# Altium PCB NixieClock.PcbDoc (part 2 of 2)
Units mm, origin at the board's own origin, x right, y up, seen from the top; angles counter-clockwise.
Board outline 200 x 75 mm, 2 copper layers (Top Layer, Bottom Layer); 186 components, 155 nets, 577 pads, 267 vias.
Unrouted connection lines stored in the file: 1.
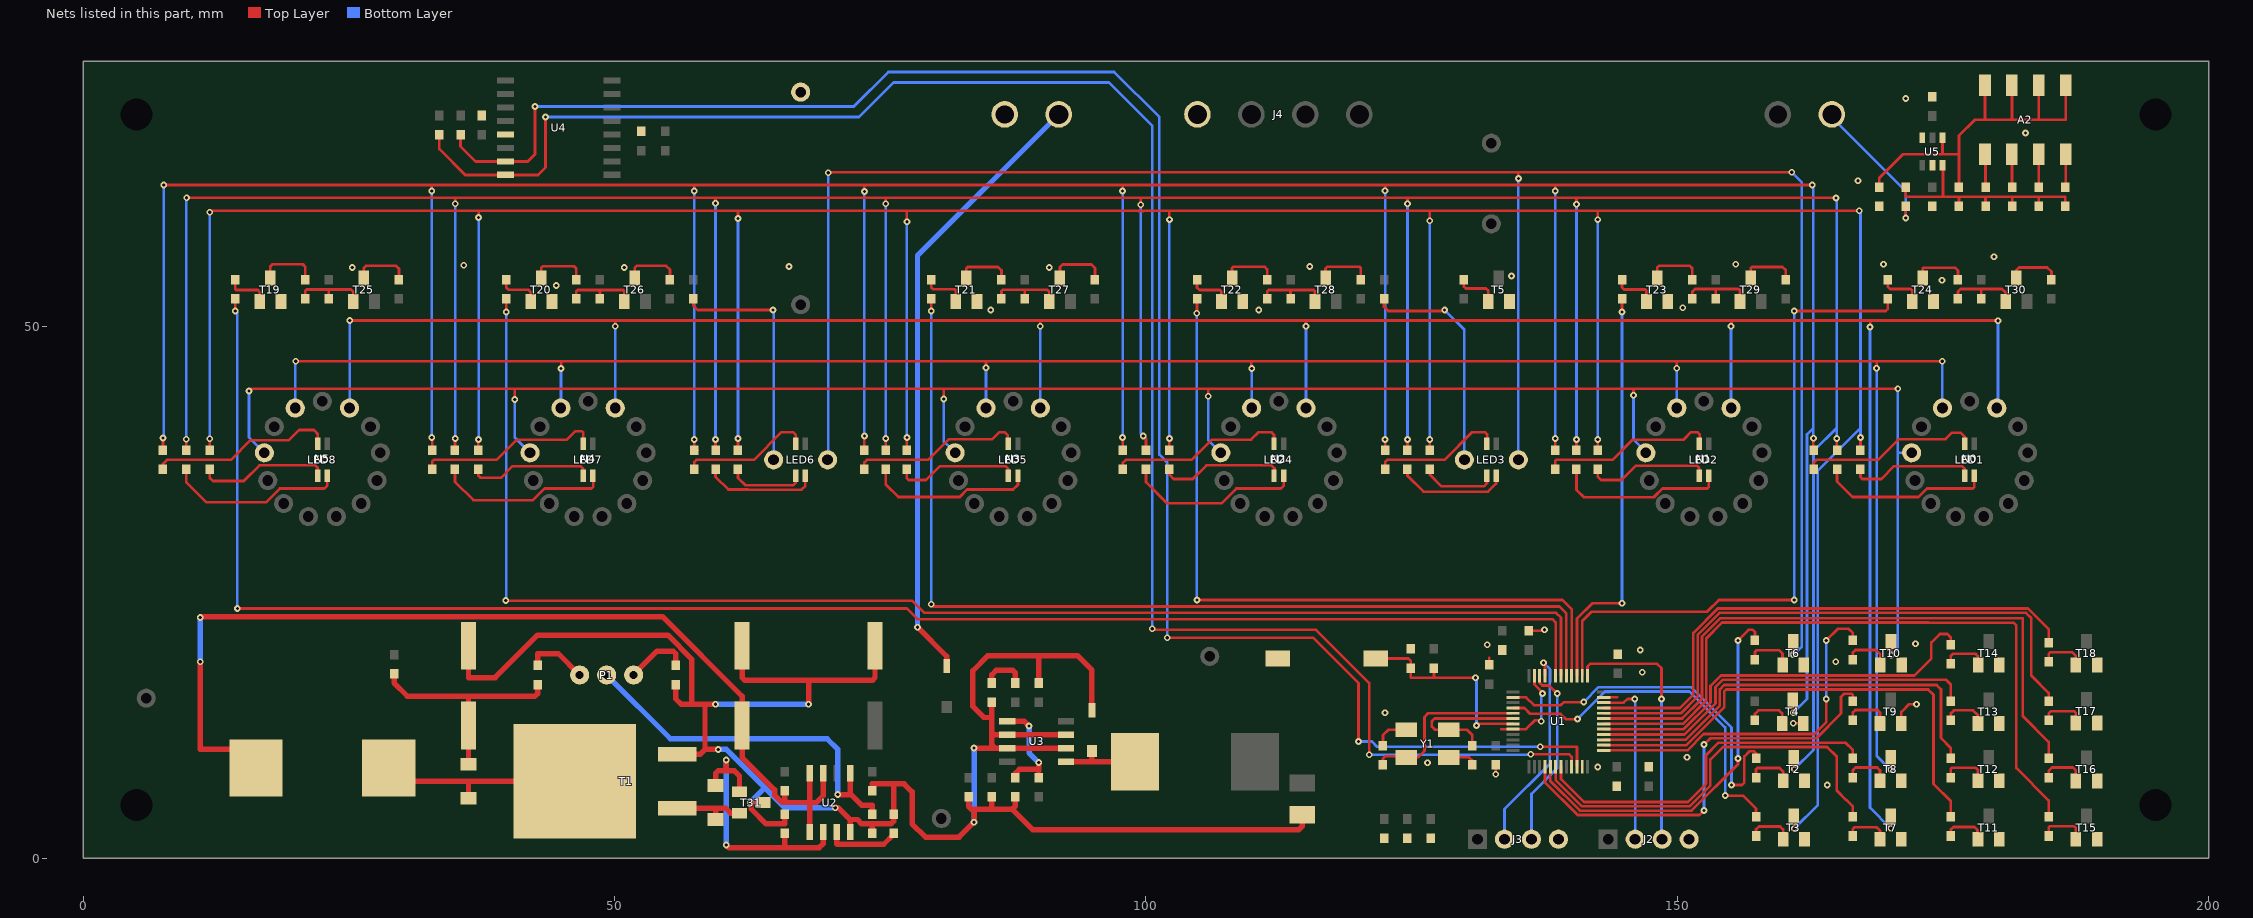
[diagram p2: the nets of this part, all layers, seen from the top]

## Via types
v1: diameter 0.635, hole 0.305, Top Layer to Bottom Layer, tented both sides, 267 vias

## Nets (pads, with @x,y where several pads share a name; then routed paths per layer and width w, separated by ;. In a path a pad name is that pad's centre, name@x,y a point inside that pad or via, vN(x,y) a via of type N, cw(c..) or ccw(c..) an arc to the next point about the centre after c; other vN are vias at no path point) (continued)
D9: N0.11 N1.11 N2.11 N3.11 N4.11 N5.11 T10.3 | length 215.6
  Top Layer w0.254: v1(15.6,43.975) 15.804,44.179 105.9,44.179 ; v1(40.6,43.175) 40.6,44.154 ; v1(80.975,43.225) 80.975,44.125 ; v1(105.85,43.475) 105.85,44.129 105.9,44.179 ; v1(145.875,43.575) 145.875,44.154 145.9,44.179 ; T10.3@170.1,20.4 170.125,20.375 v1(170.125,19.125) ; v1(170.75,44.179) 145.9,44.179 ; 105.9,44.179 145.9,44.179
  Bottom Layer w0.254: v1(15.6,43.975) 15.6,39.603 N5.11@17.04,38.163 ; v1(40.6,43.175) 40.6,39.603 N4.11@42.04,38.163 ; v1(80.975,43.225) 80.975,39.225 N3.11@82.037,38.163 ; N3.11@82.037,38.235 N3.11@82.04,38.235 ; v1(105.85,43.475) 105.85,39.353 N2.11@107.04,38.163 ; v1(145.875,43.575) 145.875,39.4 147.04,38.235 N1.11@147.04,38.163 ; v1(170.125,19.125) 170.75,19.75 170.75,38.15 ; v1(170.75,44.179) 170.75,38.15 ; N0.11@172.04,38.163 170.763,38.163 170.75,38.15
FB: C15.2 P1.2 U2.5 | length 35.4
  Top Layer w0.508: v1(71,6) 72.06,6 72.155,6.095 ; U2.5@72.155,8.01 72.155,6.095 ; C15.2@74.25,4.15 74.25,5 73.25,5 72.155,6.095
  Bottom Layer w0.508: P1.2@49.25,17.25 55.25,11.25 70,11.25 71,10.25 v1(71,6)
FB2: R3.1 R4.1 U3.5 | length 9.7
  Top Layer w0.508: U3.5@86.94,12.905 86.95,12.915 88.535,12.915 v1(89,12.45) ; R4.1@87.7,7.6 87.7,8 88.075,8.375 89.75,8.375 89.9,8.225 v1(89.9,9.025)
  Bottom Layer w0.508: v1(89,12.45) 89,9.925 v1(89.9,9.025)
GATE: D3.2 T1.1 T31.2 | length 7.1
  Top Layer w0.508: T1.1@55.9,4.71 59.5,4.71 ; D3.2@59.5,3.65 59.5,4.71 ; T31.2@61.75,4.25 60.92,4.25 60.46,4.71 59.5,4.71
GND: BAT.2 C1.1 C2.1 C3.1 C4.1 C5.1 C6.1 C8.1 C9.1 C10.2 C11.2 C12.2 C13.2 C14.2 C15.1 C16.1 C17.1 C18.1 C19.1 C20.1 C21.1 C22.1 C23.1 C29.2 C30.1 D4.1 J1.2 J2.4 J3.4 J4.4 R2.1 R4.2 R5.1 R6.1 R9.2 R10.1 R11.1 R46.1 RESET.2 T1.2 T2.2 T3.2 T4.2 T5.2 T6.2 T7.2 T8.2 T9.2 T10.2 T11.2 T12.2 T13.2 T14.2 T15.2 T16.2 T17.2 T18.2 T19.2 T20.2 T21.2 T22.2 T23.2 T24.2 T31.3 U1.8 U1.23 U1.35 U1.47 U2.4 U3.2 U3.3 U3.6 U3.7 U4.13 U5.2 U5.6 Y1.3 | length 234.3
  Top Layer w0.254: C18.1@122.3,10.6 122.3,11.6 122.8,12.1 Y1.3@124.5,12.1 ; Y1.3@128.4,9.4 Y1.3@128.5,9.5 130.4,9.5 130.7,9.2 C17.1@130.7,8.8 ; C10.2@132.3,18.3 132.3,18.871 ; v1(132.9,7.9) C11.2@132.9,8.8 ; 133.45,12.15 135.775,12.15 136.625,13 137.1,13 v1(137.2,12.9) ; C13.2@136,21.4 137.4,21.4 v1(137.5,21.5) ; U1.47@136.55,17.174 136.55,16.35 137.2,15.7 137.2,15.6 v1(137.3,15.5) ; U1.35@143.074,15.15 144.35,15.15 ; v1(160.9,12.7) T4.2@161.858,12.7 ; T9.2@171.072,12.7 171.072,13.772 171.8,14.5 v1(172.5,14.5)
  Top Layer w0.508: C2.1@36.25,20 36.25,17 38.75,17 42.75,21 55,21 57.25,18.75 57.25,14.5 ; R2.1@55.75,16.35 55.75,15 56.25,14.5 57.25,14.5 ; T1.2@55.9,9.79 58.04,9.79 58.5,10.25 ; v1(59.5,14.5) 58.5,14.5 ; v1(59.75,10.25) 58.5,10.25 ; C19.1@62,20 62,17 62.25,16.75 68.25,16.75 ; T31.3@63.95,5.25 v1(62.75,5.25) 62.856,5.144 62.856,4.644 64.25,3.25 66,3.25 R6.1@66,4.15 ; v1(68.25,14.5) 68.25,16.75 ; v1(70.75,4.75) 71.06,4.75 72.155,3.655 ; U2.4@72.155,2.49 72.155,3.655 ; C15.1@74.25,2.35 74.25,3.25 ; C3.1@74.25,6.35 74.25,7 77.25,7 78,6.25 78,3.25 79.25,2 82.425,2 v1(83.825,3.4) 83.825,4.35 ; C4.1@74.5,20 74.5,17 74.25,16.75 68.25,16.75 ; 76.25,7 C1.1@76.25,4.15 76.25,3.5 76,3.25 74.25,3.25 ; C6.1@83.3,5.8 83.3,4.875 83.55,4.625 87.4,4.625 ; v1(83.825,10.375) 83.835,10.365 U3.7@86.94,10.365 U3.2@92.46,10.365 ; 85.45,13.25 84.75,13.25 83.7,14.3 83.7,17.65 85.125,19.075 93.55,19.075 94.9,17.725 D4.1@94.9,13.94 ; 85.5,4.675 C5.1@85.5,5.8 ; R5.1@85.5,14.7 85.5,11.85 ; 85.775,10.375 85.5,10.65 85.5,11.85 ; R4.2@87.7,5.8 87.7,4.925 87.4,4.625 ; C8.1@89.9,16.5 89.9,18.825 ; U3.3@92.46,11.635 U3.6@86.94,11.635 85.715,11.635 85.5,11.85 ; C9.1@114.7,4.1 114.7,3 114.4,2.7 89.325,2.7 87.4,4.625 ; 57.25,14.5 58.5,14.5 ; 58.5,10.25 58.5,14.5 ; 72.155,3.655 72.845,3.655 73.25,3.25 74.25,3.25
  Bottom Layer w0.254: v1(137.2,12.9) v1@137.2,15.4 ; v1@160.8,12.7 v1(160.9,12.7)
  Bottom Layer w0.508: v1(59.5,14.5) v1(68.25,14.5) ; v1(59.75,10.25) 60.524,10.25 64.024,6.75 ; v1(62.75,5.25) 64.024,6.524 64.024,6.75 ; v1(70.75,4.75) 66.024,4.75 64.024,6.75 ; v1(83.825,3.4) v1(83.825,10.375)
  other v1: 164.1,6.9 142.5,8.6 126.5,9 150.9,9.5 122.5,13.7 146.7,17.5 164.9,18.5 146.5,19.6 132.1,20.1 172.4,20.2 85.4,51.6 110.6,51.6 150.5,51.8 44.5,53.9 174.9,54.4 134.4,54.8 25.3,55.6 50.9,55.6 90.9,55.6 66.4,55.7 115.4,55.7 35.8,55.8 155.5,55.9 169.4,55.9 179.8,56.6 167,63.75 182.75,68.25 171.5,71.5
GPIO1: J3.2 U1.45 | length 19.9
  Top Layer w0.254: v1(137.4,18.4) 137.55,18.25 U1.45@137.55,17.174
  Bottom Layer w0.254: J3.2@133.73,1.8 133.73,4.63 138,8.9 138,17.8 v1(137.4,18.4)
GPIO2: J3.3 U1.46 | length 17.4
  Top Layer w0.254: U1.46@137.05,17.174 137.05,16.514 137.294,16.27 137.93,16.27 v1(138.7,15.5)
  Bottom Layer w0.254: J3.3@136.27,1.8 136.27,6.07 138.7,8.5 v1(138.7,15.5)
GREEN: R41.1 U1.4 | length 33.5
  Top Layer w0.254: U1.4@134.526,14.15 135.601,14.15 136.158,13.593 139.007,13.593 139.5,13.1 v1(140.6,13.1) ; v1(154.5,5.9) 156.181,5.9 157.4,4.681 R41.1@157.4,3.9
  Bottom Layer w0.254: v1(140.6,13.1) 143.194,15.694 151.132,15.694 154.5,12.325 v1(154.5,5.9)
I2C-SCL: R14.1 U1.21 U4.16 | length 174.2
  Top Layer w0.254: R14.1@33.5,68.1 33.5,66.75 35.945,64.305 U4.16@39.75,64.305 42.805,64.305 43.5,65 v1(43.5,69.75) ; v1@100.597,21.5 116,21.5 121,16.5 v1(121,9.75) ; v1(136.2,9.8) 139.8,9.8 140.05,9.55 U1.21@140.05,8.626
  Bottom Layer w0.254: v1(43.5,69.75) 73,69.75 76.25,73 96.5,73 100.597,68.903 v1(100.597,21.597) ; v1(121,9.75) 136.15,9.75 v1(136.2,9.8)
I2C-SDA: R15.1 U1.22 U4.15 | length 172.5
  Top Layer w0.254: R15.1@35.5,68.1 35.5,67 36.925,65.575 U4.15@39.75,65.575 41.825,65.575 42.5,66.25 v1(42.5,70.75) ; v1(102,20.75) 115.75,20.75 120,16.5 v1(120,11) ; v1(137.1,10.5) 140.5,10.5 140.55,10.45 U1.22@140.55,8.626
  Bottom Layer w0.254: v1(42.5,70.75) 72.5,70.75 75.75,74 97,74 101.25,69.75 101.25,38 102,37.25 v1(102,20.75) ; v1(120,11) 121.25,11 121.75,10.5 v1(137.1,10.5)
LB: R18.1 R21.1 R24.1 R27.1 R30.1 R33.1 R36.1 R39.1 T4.3 | length 382.8
  Top Layer w0.254: R39.1@7.5,38.4 v1(7.5,39.55) ; v1(7.575,63.35) 32.8,63.35 ; v1(32.8,39.6) 32.825,39.575 R36.1@32.825,38.4 ; v1(32.8,62.8) 32.8,63.35 ; v1(57.5,39.4) 57.5,38.7 R33.1@57.8,38.4 ; v1(57.5,62.8) 57.5,63.3 ; R30.1@73.5,38.4 v1(73.5,39.75) ; v1(73.5,62.75) 73.5,63.35 ; R27.1@97.8,38.4 v1(97.8,39.6) ; v1(97.8,62.8) 97.8,63.35 ; R24.1@122.5,38.7 v1(122.5,39.4) ; v1(122.5,62.819) 122.5,63.35 ; R21.1@138.5,38.4 v1(138.5,39.5) ; v1(138.5,62.8) 138.5,63.35 ; T4.3@160.858,14.9 160.858,13.742 v1(160.9,13.7) ; R18.1@162.8,38.425 v1(162.8,39.525) ; v1@162.8,63.35 v1(162.7,63.35) 138.5,63.35 ; 32.8,63.35 73.5,63.35 ; 73.5,63.35 97.8,63.35 ; 97.8,63.35 122.5,63.35 ; 122.5,63.35 138.5,63.35
  Bottom Layer w0.254: v1(7.5,39.55) 7.575,39.625 v1(7.575,63.35) ; v1(32.8,39.6) v1(32.8,62.8) ; v1(57.5,39.4) v1@57.5,62.5 ; v1(73.5,39.75) v1(73.5,62.75) ; v1(97.8,39.6) v1(97.8,62.8) ; v1(122.5,39.4) 122.5,62.5 ; v1(138.5,39.5) v1(138.5,62.8) ; v1(160.9,13.7) 162.2,15 162.2,39.9 162.8,40.5 ; v1(162.8,39.525) 162.8,40.5 ; v1@162.8,63.35 162.8,40.5
LB1: LED1.3 R18.2 | length 16.8
  Top Layer w0.254: R18.2@162.825,36.6 162.825,37.225 163.1,37.5 168.9,37.5 170.845,39.445 175.245,39.445 175.85,40.05 176.65,40.05 177.05,39.65 LED1.3@177.05,39
LB2: LED2.3 R21.2 | length 16.5
  Top Layer w0.254: R21.2@138.5,36.6 138.5,37.4 138.6,37.5 143.9,37.5 145.8,39.4 150.6,39.4 151.3,40.1 151.9,40.1 152.1,39.9 152.1,39.05 LED2.3@152.05,39
LB3: LED3.3 R24.2 | length 12.2
  Top Layer w0.254: R24.2@122.5,36.9 122.5,37.3 122.7,37.5 128.1,37.5 130.7,40.1 131.9,40.1 132.1,39.9 132.1,39.05 LED3.3@132.05,39
LB4: LED4.3 R27.2 | length 17
  Top Layer w0.254: R27.2@97.8,36.6 97.8,37.2 98.1,37.5 104.3,37.5 106.2,39.4 109.9,39.4 110.594,40.094 111.806,40.094 112.05,39.85 LED4.3@112.05,39
LB5: LED5.3 R30.2 | length 16.3
  Top Layer w0.254: R30.2@73.5,36.6 73.5,37.25 73.75,37.5 79.5,37.5 81.445,39.445 85.545,39.445 86.2,40.1 86.7,40.1 87,39.8 87,39.05 LED5.3@87.05,39
LB6: LED6.3 R33.2 | length 12.4
  Top Layer w0.254: R33.2@57.5,36.6 57.5,37.3 57.7,37.5 63.1,37.5 65.7,40.1 66.8,40.1 67.05,39.85 LED6.3@67.05,39
LB7: LED7.3 R36.2 | length 17.3
  Top Layer w0.254: R36.2@32.825,36.6 32.825,37.325 33,37.5 38.9,37.5 40.8,39.4 45.5,39.4 46.3,40.2 46.9,40.2 47.05,40.05 LED7.3@47.05,39
LB8: LED8.3 R39.2 | length 17.5
  Top Layer w0.254: R39.2@7.5,36.6 7.5,37.125 7.875,37.5 13.9,37.5 15.742,39.342 19.342,39.342 20.3,40.3 21.7,40.3 22.05,39.95 LED8.3@22.05,39
LG: R17.1 R20.1 R23.1 R26.1 R29.1 R32.1 R35.1 R38.1 T3.3 | length 377
  Top Layer w0.254: R38.1@11.9,38.4 v1(11.9,39.475) ; v1(11.9,60.8) 12.025,60.925 37.2,60.925 ; R35.1@37.175,38.4 37.175,39.375 v1(37.2,39.4) ; v1(37.2,60.3) 37.2,60.925 ; R32.1@61.6,38.4 v1(61.6,39.5) ; v1(61.6,60.2) 61.6,60.925 ; R29.1@77.3,38.4 R29.1@77.5,38.4 v1(77.5,39.6) ; v1(77.5,59.9) 77.5,60.825 77.4,60.925 ; R26.1@102.2,38.4 v1(102.2,39.5) ; v1(102.2,60.1) 102.2,60.925 ; R23.1@126.7,38.4 v1(126.7,39.4) ; v1(126.7,60) 126.7,60.9 ; R20.1@142.5,38.575 v1(142.5,39.4) ; v1(142.5,60.1) 142.5,60.925 ; T3.3@160.958,4 160.958,2.842 v1(161,2.8) ; R17.1@167.225,38.4 v1(167.225,39.6) ; v1@167.225,60.925 v1(167.125,60.925) 142.5,60.925 ; 37.2,60.925 61.6,60.925 ; 61.6,60.925 77.4,60.925 ; 77.4,60.925 99.231,60.925 99.253,60.903 99.747,60.903 99.769,60.925 102.2,60.925 ; 102.2,60.925 142.5,60.925
  Bottom Layer w0.254: v1(11.9,39.475) v1(11.9,60.8) ; v1(37.2,39.4) v1(37.2,60.3) ; v1(61.6,39.5) v1(61.6,60.2) ; v1(77.5,39.6) v1(77.5,59.9) ; v1(102.2,39.5) v1(102.2,60.1) ; v1(126.7,39.4) v1(126.7,60) ; v1(142.5,39.4) v1(142.5,60.1) ; v1(161,2.8) 163.219,5.019 163.219,36.494 167.225,40.5 ; v1(167.225,39.6) 167.225,40.5 ; v1@167.225,60.925 167.225,40.5
LG1: LED1.4 R17.2 | length 11.9
  Top Layer w0.254: R17.2@167.225,36.6 167.225,35.875 167.4,35.7 169.2,35.7 170.4,36.9 176.8,36.9 177.05,36.65 LED1.4@177.05,36
LG2: LED2.4 R20.2 | length 11.8
  Top Layer w0.254: R20.2@142.5,36.6 142.5,35.925 142.825,35.6 144.75,35.6 146.1,36.95 151.85,36.95 152.05,36.75 LED2.4@152.05,36
LG3: LED3.4 R23.2 | length 7.2
  Top Layer w0.254: R23.2@126.7,36.6 126.7,36.1 127.8,35 131.8,35 132.1,35.3 132.05,35.35 LED3.4@132.05,36
LG4: LED4.4 R26.2 | length 11.9
  Top Layer w0.254: R26.2@102.2,36.6 102.2,36.1 102.6,35.7 104.4,35.7 105.684,36.984 111.816,36.984 112.1,36.7 112.1,36.05 LED4.4@112.05,36
LG5: LED5.4 R29.2 | length 11.8
  Top Layer w0.254: R29.2@77.3,36.6 77.5,36.4 77.5,35.75 77.65,35.6 79.3,35.6 80.6,36.9 86.8,36.9 87.05,36.65 LED5.4@87.05,36
LG6: LED6.4 R32.2 | length 7.3
  Top Layer w0.254: R32.2@61.6,36.6 61.6,35.8 62.294,35.106 62.694,35.106 62.7,35.1 66.8,35.1 67.05,35.35 LED6.4@67.05,36
LG7: LED7.4 R35.2 | length 11.8
  Top Layer w0.254: R35.2@37.175,36.6 37.175,36.025 37.4,35.8 39.3,35.8 40.4,36.9 46.8,36.9 47.05,36.65 LED7.4@47.05,36
LG8: LED8.4 R38.2 | length 12.5
  Top Layer w0.254: R38.2@11.9,36.6 11.9,35.8 12.2,35.5 15.1,35.5 16.584,36.984 17.529,36.984 17.545,37 21.8,37 22.05,36.75 LED8.4@22.05,36
LR: R16.1 R19.1 R22.1 R25.1 R28.1 R31.1 R34.1 R37.1 T2.3 | length 380.4
  Top Layer w0.254: R37.1@9.7,38.4 v1(9.7,39.425) ; v1(9.725,62.15) 35,62.15 ; R34.1@34.975,38.4 34.975,39.475 v1(35,39.5) ; v1(35,61.6) 35,62.15 ; R31.1@59.3,38.4 R31.1@59.3,38.7 ; R31.1@59.5,38.4 v1(59.5,39.4) ; v1(59.5,61.65) 59.5,62.15 ; R28.1@75.5,38.4 75.5,38.8 v1(75.5,39.5) ; v1(75.5,61.6) 75.5,62.15 ; v1(99.5,61.5) 99.5,62.15 ; R25.1@100,38.4 100,39.5 ; R22.1@124.6,38.4 124.6,38.8 v1(124.6,39.4) ; v1(124.6,61.6) 124.6,62.15 ; R19.1@140.5,38.4 v1(140.5,39.4) ; v1(140.5,61.55) 140.5,62.15 ; T2.3@160.958,9.5 161,9.458 v1(161,8.4) ; v1(165,39.5) 165,38.475 165.05,38.425 R16.1@165.025,38.4 ; v1@165.025,62.15 140.5,62.15 ; 35,62.15 59.5,62.15 ; 59.5,62.15 75.5,62.15 ; 75.5,62.15 99.5,62.15 ; 99.5,62.15 124.6,62.15 ; 124.6,62.15 140.5,62.15
  Bottom Layer w0.254: v1(9.7,39.425) 9.7,62.125 v1(9.725,62.15) ; v1(35,39.5) v1(35,61.6) ; v1(59.5,39.4) v1(59.5,61.65) ; v1(75.5,39.5) v1(75.5,61.6) ; v1(99.5,61.5) 99.5,40 v1(99.75,39.75) ; v1(124.6,39.4) v1(124.6,61.6) ; v1(140.5,39.4) v1(140.5,61.55) ; v1(161,8.4) 162.813,10.213 162.813,38.313 165,40.5 ; v1@164.9,62.05 164.95,62.1 v1(164.925,62.125) ; v1(165,39.5) 165,40.5 ; v1@165,62.05 165,40.5
LR1: LED1.1 R16.2 | length 16.1
  Top Layer w0.254: R16.2@165.025,36.6 165.025,35.475 166.5,34 172.7,34 173.5,34.8 177.8,34.8 177.95,34.95 LED1.1@177.95,36
LR2: LED2.1 R19.2 | length 16.1
  Top Layer w0.254: R19.2@140.5,36.6 140.5,34.675 141.2,33.975 147.776,33.975 148.601,34.8 152.825,34.8 152.95,34.925 LED2.1@152.95,36
LR3: LED3.1 R22.2 | length 10.2
  Top Layer w0.254: R22.2@124.6,36.2 124.6,36 126.1,34.5 132.2,34.5 132.95,35.25 LED3.1@132.95,36
LR4: LED4.1 R25.2 | length 16.6
  Top Layer w0.254: R25.2@100,36.6 100,35.4 102,33.4 107.1,33.4 108.5,34.8 112.7,34.8 112.95,35.05 LED4.1@112.95,36
LR5: LED5.1 R28.2 | length 15.7
  Top Layer w0.254: R28.2@75.5,36.6 75.5,36.2 75.5,35.2 76.7,34 82.476,34 83.176,34.7 87.5,34.7 87.95,35.15 LED5.1@87.95,36
LR6: LED6.1 R31.2 | length 10.7
  Top Layer w0.254: R31.2@59.5,36.6 59.5,35.9 60.7,34.7 62.525,34.7 62.532,34.694 67.594,34.694 67.95,35.05 LED6.1@67.95,36
LR7: LED7.1 R34.2 | length 16.5
  Top Layer w0.254: R34.2@34.975,36.6 34.975,35.425 36.7,33.7 42.3,33.7 43.4,34.8 47.8,34.8 48,35 48,35.95 LED7.1@47.95,36
LR8: LED8.1 R37.2 | length 16.8
  Top Layer w0.254: R37.2@9.7,36.6 9.7,35.375 11.575,33.5 17.2,33.5 18.5,34.8 22.7,34.8 22.95,35.05 LED8.1@22.95,36
NC: D2.1 L1.2 T1.3 | length 21.6
  Top Layer w0.508: L1.2@27.5,10.25 28,10.25 31,7.25 36.25,7.25 ; D2.1@36.25,5.65 36.25,7.25 ; T1.3@46.25,7.25 36.25,7.25
NC2: D4.2 L2.1 U3.1 | length 7.5
  Top Layer w0.508: U3.1@92.46,9.095 98.945,9.095 L2.1@98.95,9.1 ; 94.9,9.12 D4.2@94.9,10.1
NCRL_0: R61.1 U1.38 | length 63
  Top Layer w0.254: U1.38@141.05,17.174 141.05,22.35 141.9,23.2 152.8,23.2 153.9,24.3 v1(161,24.3) ; v1(161,51.5) 169.6,51.5 169.8,51.7 R61.1@169.8,52.65
  Bottom Layer w0.254: v1(161,24.3) v1(161,51.5)
NCRL_1: R62.2 U1.39 | length 38.9
  Top Layer w0.254: U1.39@140.55,17.174 140.55,22.55 142,24 v1(144.8,24) ; v1(144.8,51.4) R62.2@144.8,52.65
  Bottom Layer w0.254: v1(144.8,24) v1(144.8,51.4)
NCRL_2: R63.2 U1.40 | length 70.6
  Top Layer w0.254: v1(104.775,51.3) 104.8,51.325 R63.2@104.8,52.65 ; v1(104.8,24.3) 139.2,24.3 140.05,23.45 U1.40@140.05,17.174
  Bottom Layer w0.254: v1(104.775,51.3) 104.775,24.125 104.8,24.15 v1(104.8,24.3)
NCRL_3: R64.1 U1.41 | length 94.7
  Top Layer w0.254: v1(79.8,23.9) 79.997,23.703 138.897,23.703 139.55,23.05 U1.41@139.55,17.174 ; v1(79.8,51.5) R64.1@79.8,52.65
  Bottom Layer w0.254: v1(79.8,23.9) v1(79.8,51.5)
NCRL_4: R65.2 U1.42 | length 133.8
  Top Layer w0.254: v1(39.75,24.25) 78,24.25 79.15,23.1 138.6,23.1 139.05,22.65 U1.42@139.05,17.174 ; v1(39.8,51.4) R65.2@39.8,52.65
  Bottom Layer w0.254: v1(39.8,51.4) 39.8,24.253 v1@39.803,24.25
NCRL_5: R66.2 U1.43 | length 158.8
  Top Layer w0.254: v1(14.3,51.5) R66.2@14.3,52.65 ; v1(14.5,23.5) 77.5,23.5 78.5,22.5 138.25,22.5 138.55,22.2 U1.43@138.55,17.174
  Bottom Layer w0.254: v1(14.3,51.5) 14.5,51.3 v1(14.5,23.5)
NCRL_P: R48.1 U1.17 | length 36.5
  Top Layer w0.254: U1.17@138.05,8.626 138.05,7.25 140.819,4.481 151.33,4.481 155.7,8.851 v1(155.7,9.4) ; v1(155.7,20.5) 156.7,21.5 157.1,21.5 157.3,21.3 R48.1@157.3,20.5
  Bottom Layer w0.254: v1(155.7,9.4) v1(155.7,20.5)
NE: NE1.2 NE2.2 T6.3 | length 192.4
  Top Layer w0.254: v1(70.1,64.5) 70.15,64.55 v1@160.875,64.55 ; v1(135.04,63.96) 135.04,64.535 ; v1(160.883,19.175) 160.883,20.283 160.95,20.35 T6.3@160.9,20.4
  Bottom Layer w0.254: NE2.2@70.04,37.5 70.1,37.56 v1(70.1,64.5) ; NE1.2@135.04,37.5 v1(135.04,63.96) ; v1(160.775,64.55) 161.7,63.625 161.7,19.884 160.883,19.067 v1(160.883,19.175)
NE1: NE1.1 R86.1 | length 21.5
  Top Layer w0.254: R86.1@122.4,52.65 122.4,51.9 122.8,51.5 128,51.5 v1(128.1,51.6)
  Bottom Layer w0.254: v1(128.1,51.6) 129.96,49.74 NE1.1@129.96,37.5
NE2: NE2.1 R85.1 | length 22.4
  Top Layer w0.254: R85.1@57.4,52.65 57.4,52 57.8,51.6 v1(64.9,51.6)
  Bottom Layer w0.254: v1(64.9,51.6) 64.96,51.54 NE2.1@64.96,37.5
NIXIE_0: R51.1 U1.16 | length 41.6
  Top Layer w0.254: U1.16@137.55,8.626 137.55,7.15 140.626,4.074 152.074,4.074 v1(152.5,4.5) ; v1(152.5,10.7) 153.094,11.294 163.068,11.294 165.4,13.625 165.4,15.2 165.413,15.2 165.7,15.487 166.4,15.487 166.514,15.373 R51.1@166.514,14.8
  Bottom Layer w0.254: v1(152.5,4.5) v1(152.5,10.7)
NIXIE_1: R60.1 U1.33 | length 51.2
  Top Layer w0.254: U1.33@143.074,14.15 150.25,14.15 151.5,15.4 151.5,21.2 153.8,23.5 183,23.5 184.942,21.558 R60.1@184.942,20.3
NIXIE_2: R59.1 U1.32 | length 56.2
  Top Layer w0.254: U1.32@143.074,13.65 150.325,13.65 151.906,15.232 151.906,21.032 153.968,23.094 182.8,23.094 183.3,22.594 183.3,17.2 184.942,15.558 R59.1@184.942,14.8
NIXIE_3: R58.1 U1.31 | length 61
  Top Layer w0.254: U1.31@143.074,13.15 150.45,13.15 152.313,15.013 152.313,20.863 154.049,22.6 182.5,22.6 182.5,13.4 184.942,10.958 R58.1@184.942,9.4
NIXIE_4: R57.1 U1.30 | length 65.6
  Top Layer w0.254: U1.30@143.074,12.65 150.525,12.65 152.719,14.844 152.719,20.695 154.218,22.194 173.6,22.194 173.615,22.178 181.622,22.178 181.9,21.9 181.9,8.5 184.942,5.458 R57.1@184.942,3.9
NIXIE_5: R56.1 U1.29 | length 39
  Top Layer w0.254: U1.29@143.074,12.15 150.599,12.15 153.126,14.676 153.126,16.226 154.1,17.2 172.3,17.2 173.9,18.8 173.9,20.3 174.7,21.1 175.4,21.1 175.728,20.772 R56.1@175.728,20.1
NIXIE_6: R55.1 U1.28 | length 37.4
  Top Layer w0.254: U1.28@143.074,11.65 150.674,11.65 153.587,14.563 153.587,16.113 154.268,16.794 175.3,16.794 175.728,16.365 R55.1@175.728,14.8
NIXIE_7: R54.1 U1.27 | length 41.8
  Top Layer w0.254: U1.27@143.074,11.15 150.75,11.15 154,14.4 154,15.9 154.4,16.3 174.4,16.3 174.8,15.9 174.8,11.314 175.728,10.386 R54.1@175.728,9.4
NIXIE_8: R53.1 U1.26 | length 46.4
  Top Layer w0.254: U1.26@143.074,10.65 150.85,10.65 154.406,14.206 154.406,15.7 154.6,15.894 173.6,15.894 174.1,15.394 174.1,7.014 175.728,5.386 R53.1@175.728,3.9
NIXIE_9: R52.1 U1.25 | length 33.6
  Top Layer w0.254: U1.25@143.074,10.15 143.087,10.163 150.937,10.163 152.475,11.7 162.9,11.7 164,12.8 v1(164,15) ; v1(164,20.5) 165.1,21.6 166.1,21.6 166.514,21.186 R52.1@166.514,20.5
  Bottom Layer w0.254: v1(164,15) v1(164,20.5)
NIXIE_PL: R50.1 U1.19 | length 34.5
  Top Layer w0.254: U1.19@139.05,8.626 139.05,7.45 141.206,5.294 150.994,5.294 152.7,7 152.7,9.7 153.887,10.887 165.8,10.887 166.514,10.173 R50.1@166.514,9.4
NIXIE_PR: R49.1 U1.18 | length 39.2
  Top Layer w0.254: U1.18@138.55,8.626 138.55,7.35 141.013,4.887 151.162,4.887 153.106,6.832 153.106,9.3 154.287,10.481 164.1,10.481 165,9.581 165,6.367 165.879,5.487 165.9,5.508 166.514,4.894 R49.1@166.514,3.9
OSCIN: C18.2 U1.5 Y1.1 | length 16.4
  Top Layer w0.254: C18.2@122.3,8.8 122.3,9.4 122.5,9.6 124.4,9.6 Y1.1@124.5,9.5 125.6,9.5 126.2,10.1 126.2,13.3 126.55,13.65 U1.5@134.426,13.65
OSCOUT: C17.2 U1.6 Y1.2 | length 13.4
  Top Layer w0.254: C17.2@130.7,10.6 130.7,11.6 130.2,12.1 Y1.2@128.5,12.1 127.2,12.1 126.9,12.4 126.9,12.9 127.15,13.15 U1.6@134.526,13.15
PL: N0.2 N1.2 N2.2 N3.2 N4.2 N5.2 T7.3 | length 254.8
  Top Layer w0.254: v1(25.075,50.6) 50.025,50.6 ; v1(50.056,50.056) 50.056,50.569 50.025,50.6 ; 90.054,50.596 v1(90.054,50.077) 90.054,49.946 v1@90.1,49.991 ; v1@115.05,50.125 115.002,50.077 v1(115.056,50.077) 115.056,50.569 115.025,50.6 ; v1(155.058,50.077) 154.973,50.077 155.1,50.205 155.1,50.6 ; v1(168.125,50) 168.15,50.025 168.15,50.6 ; v1(170.072,2.822) T7.3@170.072,4 ; v1@180.175,50.6 168.15,50.6 ; 50.025,50.6 115.025,50.6 ; 115.025,50.6 155.1,50.6 ; 155.1,50.6 168.15,50.6
  Bottom Layer w0.254: N5.2@25.056,42.37 25.075,42.389 v1(25.075,50.6) ; N4.2@50.056,42.37 v1(50.056,50.056) ; v1(90.054,50.077) 90.056,50.076 N3.2@90.056,42.37 ; N2.2@115.056,42.37 v1@115.056,50.077 ; N1.2@155.056,42.37 155.056,50.076 v1(155.058,50.077) ; v1(168.125,50) 168.125,4.769 v1(170.072,2.822) ; N0.2@180.056,42.37 180.175,42.489 v1(180.175,50.575)
PR: N0.13 N1.13 N2.13 N3.13 N4.13 N5.13 T8.3 | length 221.6
  Top Layer w0.254: v1(20,46.775) 84.95,46.775 ; v1(44.952,46.102) 44.975,46.079 44.975,46.7 ; v1(84.944,46.169) 84.95,46.175 84.95,46.775 ; v1(109.955,46.102) 109.898,46.102 109.898,46.698 109.975,46.775 ; v1(149.944,46.119) 149.944,46.706 149.875,46.775 ; v1(168.75,46.125) 168.75,46.775 ; v1(170.072,8.328) T8.3@170.072,9.5 ; v1(174.925,46.775) 168.75,46.775 ; 84.95,46.775 109.975,46.775 ; 109.975,46.775 149.875,46.775 ; 149.875,46.775 168.75,46.775
  Bottom Layer w0.254: N5.13@19.944,42.37 v1@19.944,46.775 ; N4.13@44.944,42.37 44.944,46.094 v1(44.952,46.102) ; N3.13@84.944,42.37 v1(84.944,46.169) ; N2.13@109.944,42.37 109.944,46.091 v1(109.955,46.102) ; N1.13@149.944,42.37 v1(149.944,46.119) ; v1(168.75,46.125) 168.75,9.65 v1(170.072,8.328) ; v1(174.925,46.775) 174.925,42.389 N0.13@174.944,42.37
R1: P1.3 R1.1 | length 5.9
  Top Layer w0.508: R1.1@42.75,18.15 42.75,19.25 44.71,19.25 P1.3@46.71,17.25
R2: P1.1 R2.2 | length 6.1
  Top Layer w0.508: P1.1@51.79,17.25 51.79,17.29 54,19.5 55.5,19.5 55.75,19.25 R2.2@55.75,18.15
R5: C7.1 R5.2 | length 4.2
  Top Layer w0.508: R5.2@85.5,16.5 85.5,17.275 85.925,17.7 87.45,17.7 87.7,17.45 C7.1@87.7,16.5
R8: C2.2 D2.2 R1.2 R8.1 | length 22.2
  Top Layer w0.508: R8.1@29.25,17.35 29.25,16.5 30.5,15.25 36.25,15.25 ; D2.2@36.25,8.85 C2.2@36.25,12.5 36.25,15.25 ; R1.2@42.75,16.35 42.75,15.5 42.5,15.25 36.25,15.25
R67: R67.2 T30.3 | length 5.1
  Top Layer w0.254: T30.3@181.9,54.6 181.9,55.35 182.15,55.6 184.8,55.6 185.2,55.2 R67.2@185.2,54.45
R68: R68.1 R69.2 T30.1 | length 7.1
  Top Layer w0.254: R69.2@176.4,52.65 176.4,53.325 176.65,53.575 180.55,53.575 180.9,53.225 T30.1@180.9,52.4 ; R68.1@178.6,52.65 178.6,53.55
R69: R69.1 T24.3 | length 5.2
  Top Layer w0.254: T24.3@173.1,54.6 173.1,55.5 173.175,55.575 176.125,55.575 176.4,55.3 R69.1@176.4,54.45
R70: R70.2 T29.3 | length 5.3
  Top Layer w0.254: T29.3@156.9,54.6 156.9,55.525 157.025,55.65 159.9,55.65 160.2,55.35 R70.2@160.2,54.45
R71: R71.1 T23.3 | length 5.5
  Top Layer w0.254: T23.3@148.1,54.6 148.1,55.575 148.275,55.75 151.175,55.75 151.4,55.525 R71.1@151.4,54.45
R72: R71.2 R72.1 T29.1 | length 7.3
  Top Layer w0.254: R71.2@151.4,52.65 151.4,53.3 151.675,53.575 155.775,53.575 155.9,53.45 T29.1@155.9,52.4 ; R72.1@153.6,52.65 153.6,53.55
R73: R73.2 T28.3 | length 5.4
  Top Layer w0.254: T28.3@116.9,54.6 116.9,55.5 117.075,55.675 120.075,55.675 120.2,55.55 R73.2@120.2,54.45
R74: R74.1 T22.3 | length 5.4
  Top Layer w0.254: T22.3@108.1,54.6 108.1,55.525 108.25,55.675 111.15,55.675 111.4,55.425 R74.1@111.4,54.45
R75: R74.2 R75.1 T28.1 | length 7.1
  Top Layer w0.254: R74.2@111.4,52.65 111.4,53.35 111.525,53.475 115.775,53.475 115.9,53.35 T28.1@115.9,52.4 ; R75.1@113.6,52.65 113.6,53.475
R76: R76.2 T27.3 | length 5.7
  Top Layer w0.254: T27.3@91.9,54.6 91.9,55.625 92.15,55.875 94.875,55.875 95.2,55.55 R76.2@95.2,54.45
R77: R77.1 T21.3 | length 5.3
  Top Layer w0.254: T21.3@83.1,54.6 83.1,55.525 83.225,55.65 86.075,55.65 86.4,55.325 R77.1@86.4,54.45
R78: R77.2 R78.1 T27.1 | length 7
  Top Layer w0.254: R77.2@86.4,52.65 86.4,53.375 86.525,53.5 90.675,53.5 90.9,53.275 T27.1@90.9,52.4 ; R78.1@88.6,52.65 88.6,53.45
R79: R79.2 T26.3 | length 5.4
  Top Layer w0.254: T26.3@51.9,54.6 51.9,55.575 52.075,55.75 54.85,55.75 55.2,55.4 R79.2@55.2,54.45
R80: R80.1 R81.2 T26.1 | length 7.1
  Top Layer w0.254: R81.2@46.4,52.65 46.4,53.35 46.525,53.475 48.625,53.475 ; R80.1@48.625,52.675 48.625,53.475 ; T26.1@50.9,52.4 50.9,53.375 50.8,53.475 48.625,53.475
R81: R81.1 T20.3 | length 5.5
  Top Layer w0.254: T20.3@43.1,54.6 43.1,55.575 43.25,55.725 46.15,55.725 46.4,55.475 R81.1@46.4,54.45
R82: R82.2 T25.3 | length 5.5
  Top Layer w0.254: T25.3@26.4,54.6 26.4,55.55 26.6,55.75 29.425,55.75 29.7,55.475 R82.2@29.7,54.45
R83: R83.1 T19.3 | length 5.8
  Top Layer w0.254: T19.3@17.6,54.6 17.6,55.7 17.8,55.9 20.65,55.9 20.9,55.65 R83.1@20.9,54.45
R84: R83.2 R84.1 T25.1 | length 7.1
  Top Layer w0.254: R83.2@20.9,52.65 20.9,53.4 21.025,53.525 25.2,53.525 25.4,53.325 T25.1@25.4,52.4 ; R84.1@23.1,52.65 23.1,53.475
RED: R40.1 U1.2 | length 34.2
  Top Layer w0.254: U1.2@134.526,15.15 135.75,15.15 136.494,14.406 139.025,14.406 139.319,14.7 v1(141.2,14.7) ; v1(155.1,6.9) 156.075,6.9 156.3,7.125 156.3,9.6 156.774,10.074 157.2,10.074 157.4,9.874 R40.1@157.4,9.4
  Bottom Layer w0.254: v1(141.2,14.7) 142.6,16.1 151.3,16.1 155.1,12.3 v1(155.1,6.9)
RESET: C16.2 R12.1 RESET.1 U1.7 | length 19.8
  Top Layer w0.254: RESET.1@121.6,18.8 124.7,18.8 124.9,18.6 C16.2@124.9,17.9 ; C16.2@124.9,17.6 124.9,17 v1(131,17) ; 127,17 127.1,17.1 R12.1@127.1,17.9 ; v1(131.1,12.5) 131.25,12.65 U1.7@134.526,12.65
  Bottom Layer w0.254: v1(131,17) 131.1,16.9 v1(131.1,12.5)
S1: A2.8 C25.2 | length 3.1
  Top Layer w0.254: C25.2@186.5,63.15 186.56,63.21 A2.8@186.56,66.25
S2: A2.7 C26.2 | length 3.1
  Top Layer w0.254: C26.2@184,63.15 184.02,63.17 A2.7@184.02,66.25
S3: A2.6 C27.2 | length 3.1
  Top Layer w0.254: A2.6@181.48,66.25 181.48,63.17 C27.2@181.5,63.15
S4: A2.5 C28.2 | length 3.1
  Top Layer w0.254: A2.5@178.94,66.25 179,66.19 C28.2@179,63.15
SENS: J5.1 R44.1 | length 13.7
  Top Layer w0.254: v1(171.5,60.25) R44.1@171.5,61.35
  Bottom Layer w0.254: J5.1@164.54,70 164.54,69.71 171.5,62.75 v1(171.5,60.25)
SNS: A2.1 A2.2 A2.3 A2.4 C24.2 R9.1 U5.4 | length 39.3
  Top Layer w0.254: R9.1@169,63.15 169,64 171.25,66.25 175,66.25 ; U5.4@174.95,67.8 174.95,66.3 175,66.25 ; C24.2@176.5,63.15 176.5,66.25 ; A2.4@178.94,72.75 178.94,69.5 178,69.5 176.5,68 176.5,66.25 ; 179,69.5 181.5,69.5 ; A2.3@181.48,72.75 181.48,69.52 181.5,69.5 ; A2.2@184.02,72.75 184.02,69.52 184,69.5 ; A2.1@186.56,72.75 186.56,69.5 184,69.5 ; 175,66.25 176.5,66.25 ; 181.5,69.5 184,69.5
SNSK: C24.1 C25.1 C26.1 C27.1 C28.1 R44.2 U5.3 | length 23.4
  Top Layer w0.254: R44.2@171.5,63.15 171.5,62.25 175,62.25 ; U5.3@174.95,65.2 175,65.15 175,62.25 ; C24.1@176.5,61.35 176.5,62.25 ; C28.1@179,61.35 179,62.25 ; C27.1@181.5,61.35 181.5,62.25 ; C26.1@184,61.35 184,62.25 ; C25.1@186.5,61.35 186.5,62.25 184,62.25 ; 175,62.25 176.5,62.25 ; 176.5,62.25 179,62.25 ; 179,62.25 181.5,62.25 ; 181.5,62.25 184,62.25
SWC: C19.2 L1.1 R7.2 U2.1 U2.7 U2.8 | length 95.1
  Top Layer w0.508: v1(11,18.5) 11,10.25 L1.1@15,10.25 ; v1(11,22.65) 11.1,22.75 54.5,22.75 62,15.25 C19.2@62,12.5 62,9.5 65.056,6.444 65.056,5.944 65.75,5.25 66.25,5.25 ; R7.2@66,6.35 66,5.5 66.25,5.25 ; U2.1@68.345,2.49 68.345,5.25 ; U2.8@68.345,8.01 68.345,5.25 ; U2.7@69.615,8.01 69.615,5.865 69,5.25 68.345,5.25 ; 66.25,5.25 68.345,5.25
  Bottom Layer w0.508: v1(11,18.5) v1(11,22.65)
SWCLK: J2.3 U1.37 | length 24.1
  Top Layer w0.254: U1.37@141.55,17.174 141.55,18.05 141.8,18.3 148.1,18.3 148.5,17.9 v1(148.5,15)
  Bottom Layer w0.254: v1(148.5,15) 148.5,1.97 J2.3@148.57,1.9
SWDIO: J2.2 U1.34 | length 16.2
  Top Layer w0.254: U1.34@143.074,14.65 144.95,14.65 145.3,15 v1(146,15)
  Bottom Layer w0.254: v1(146,15) 146.03,14.97 J2.2@146.03,1.9
SWE: D3.1 R6.2 T31.1 U2.2 | length 26.1
  Top Layer w0.508: D3.1@59.5,6.85 59.5,8 59.75,8.25 60.5,8.25 ; v1(60.5,1.25) 60.767,0.983 65.983,0.983 66,1 ; v1(60.5,9.25) 60.5,8.25 ; T31.1@61.75,6.25 61.75,7.75 61.25,8.25 60.5,8.25 ; R6.2@66,2.35 66,1 ; U2.2@69.615,2.49 69.615,1.365 69.25,1 66,1
  Bottom Layer w0.508: v1(60.5,1.25) v1(60.5,9.25)
T-B: R43.1 T5.1 | length 4.1
  Top Layer w0.254: R43.1@129.9,54.45 129.9,53.825 130.1,53.625 132,53.625 132.2,53.425 T5.1@132.2,52.4
T-LB: R42.2 T4.1 | length 4.4
  Top Layer w0.254: R42.2@157.3,13 157.3,13.6 157.625,13.925 159.575,13.925 159.858,13.642 T4.1@159.858,12.7
T-LG: R41.2 T3.1 | length 4.3
  Top Layer w0.254: R41.2@157.4,2.1 157.4,2.725 157.675,3 159.675,3 159.958,2.717 T3.1@159.958,1.8
T-LR: R40.2 T2.1 | length 4.4
  Top Layer w0.254: R40.2@157.4,7.6 157.4,8.375 157.525,8.5 159.625,8.5 159.958,8.167 T2.1@159.958,7.3
T_NCRL_0: R61.2 T24.1 | length 4.1
  Top Layer w0.254: R61.2@169.8,54.45 169.8,53.775 170,53.575 171.95,53.575 172.1,53.425 T24.1@172.1,52.4
T_NCRL_1: R62.1 T23.1 | length 4.2
  Top Layer w0.254: R62.1@144.8,54.45 144.8,53.725 145,53.525 147,53.525 147.1,53.425 T23.1@147.1,52.4
T_NCRL_2: R63.1 T22.1 | length 4.1
  Top Layer w0.254: R63.1@104.8,54.45 104.8,53.7 105.025,53.475 106.95,53.475 107.1,53.325 T22.1@107.1,52.4
T_NCRL_3: R64.2 T21.1 | length 4.2
  Top Layer w0.254: R64.2@79.8,54.45 79.8,53.7 79.95,53.55 81.975,53.55 82.1,53.425 T21.1@82.1,52.4
T_NCRL_4: R65.1 T20.1 | length 4.1
  Top Layer w0.254: R65.1@39.8,54.45 39.8,53.725 40.025,53.5 41.875,53.5 42.1,53.275 T20.1@42.1,52.4
T_NCRL_5: R66.1 T19.1 | length 4.2
  Top Layer w0.254: R66.1@14.3,54.45 14.3,53.575 14.4,53.475 16.425,53.475 16.6,53.3 T19.1@16.6,52.4
T_NCRL_P: R48.2 T6.1 | length 4.6
  Top Layer w0.254: R48.2@157.3,18.7 157.3,19.425 157.45,19.575 159.6,19.575 159.9,19.275 T6.1@159.9,18.2
T_NIXIE_0: R51.2 T9.1 | length 4.5
  Top Layer w0.254: R51.2@166.514,13 166.514,13.714 166.75,13.95 168.85,13.95 169.072,13.728 T9.1@169.072,12.7
T_NIXIE_1: R60.2 T18.1 | length 4.4
  Top Layer w0.254: R60.2@184.942,18.5 184.942,19.242 185.1,19.4 187.15,19.4 187.5,19.05 T18.1@187.5,18.2
T_NIXIE_2: R59.2 T17.1 | length 4.3
  Top Layer w0.254: R59.2@184.942,13 184.942,13.642 185.15,13.85 187.325,13.85 187.5,13.675 T17.1@187.5,12.733
T_NIXIE_3: R58.2 T16.1 | length 4.4
  Top Layer w0.254: R58.2@184.942,7.6 184.942,8.217 185.269,8.544 187.231,8.544 187.5,8.275 T16.1@187.5,7.267
T_NIXIE_4: R57.2 T15.1 | length 4.5
  Top Layer w0.254: R57.2@184.942,2.1 184.942,2.892 185.075,3.025 187.325,3.025 187.5,2.85 T15.1@187.5,1.8
T_NIXIE_5: R56.2 T14.1 | length 4.3
  Top Layer w0.254: R56.2@175.728,18.3 175.728,19.053 175.925,19.25 178.05,19.25 178.3,19 T14.1@178.3,18.2
T_NIXIE_6: R55.2 T13.1 | length 4.3
  Top Layer w0.254: R55.2@175.728,13 175.728,13.628 176.025,13.925 177.825,13.925 178.286,13.464 T13.1@178.286,12.7
T_NIXIE_7: R54.2 T12.1 | length 4.5
  Top Layer w0.254: R54.2@175.728,7.6 175.728,8.403 175.85,8.525 178.075,8.525 178.286,8.314 T12.1@178.286,7.3
T_NIXIE_8: R53.2 T11.1 | length 4.2
  Top Layer w0.254: R53.2@175.728,2.1 175.728,2.703 175.975,2.95 177.95,2.95 178.25,2.65 T11.1@178.25,1.836
T_NIXIE_9: R52.2 T10.1 | length 4.5
  Top Layer w0.254: R52.2@166.514,18.7 166.514,19.364 166.75,19.6 168.7,19.6 169.1,19.2 T10.1@169.1,18.2
T_NIXIE_PL: R50.2 T8.1 | length 4.4
  Top Layer w0.254: R50.2@166.514,7.6 166.514,8.289 166.775,8.55 168.8,8.55 169.072,8.278 T8.1@169.072,7.3
T_NIXIE_PR: R49.2 T7.1 | length 4.2
  Top Layer w0.254: R49.2@166.514,2.1 166.514,2.764 166.675,2.925 168.75,2.925 169.072,2.603 T7.1@169.072,1.8
TC: C1.2 U2.3 | length 7
  Top Layer w0.508: U2.3@70.885,2.49 70.885,1.365 70.926,1.324 75.324,1.324 76.25,2.25 C1.2@76.25,2.35
VIN: D1.1 J1.1 | length 58.6
  Top Layer w0.508: v1(78.5,21.75) 81.25,19 D1.1@81.25,18.09
  Bottom Layer w0.508: v1(78.5,21.75) 78.5,56.71 J1.1@91.79,70
pads on no net: J5.2 U4.1 U4.4 U4.5 U4.6 U4.7 U4.8 U4.9 U4.10 U4.11 U4.12

## Polygon pours and split planes (outlines as drawn)
GND on Top Layer "GND_T" (solid, remove dead copper, pour order 4): 0.5,0.5 199.5,0.5 199.5,74.5 0.5,74.5 0.5,0.5
GND on Bottom Layer "GND_B" (solid, remove dead copper, pour order 6): 0.5,0.5 199.5,0.5 199.5,74.5 0.5,74.5 0.5,0.5

## Keep-outs
Keep-Out Layer:
  lines w0.152: 0.5,0.5 0.5,74.5 199.5,74.5 199.5,0.5 0.5,0.5

## Other copper
Top Layer:
  pour cut-out: 5,66 cw(c5,70) 1,70 cw(c5,70) 5,74 cw(c5,70) 9,70 cw(c5,70)
  pour cut-out: 191,70 ccw(c195,70) 195,66 ccw(c195,70) 199,70 ccw(c195,70) 195,74 ccw(c195,70)
  pour cut-out: 191,5 ccw(c195,5) 195,1 ccw(c195,5) 199,5 ccw(c195,5) 195,9 ccw(c195,5)
  pour cut-out: 1,5 ccw(c5,5) 5,1 ccw(c5,5) 9,5 ccw(c5,5) 5,9 ccw(c5,5)
Bottom Layer:
  pour cut-out: 5,66 cw(c5,70) 1,70 cw(c5,70) 5,74 cw(c5,70) 9,70 cw(c5,70)
  pour cut-out: 191,70 ccw(c195,70) 195,66 ccw(c195,70) 199,70 ccw(c195,70) 195,74 ccw(c195,70)
  pour cut-out: 191,5 ccw(c195,5) 195,1 ccw(c195,5) 199,5 ccw(c195,5) 195,9 ccw(c195,5)
  pour cut-out: 1,5 ccw(c5,5) 5,1 ccw(c5,5) 9,5 ccw(c5,5) 5,9 ccw(c5,5)

## Silkscreen, mask and mechanical layers (free items; w line width, h text height)
Top Overlay:
  circle w0.254: c5,5 r4
  circle w0.254: c5,70 r4
  circle w0.254: c195,70 r4
  circle w0.254: c195,5 r4
Mechanical 1:
  the board outline again, w0.152